# Altium PCB GEM_AFE_128.PcbDoc (part 14 of 18)
Units mm, origin at the board's own origin, x right, y up, seen from the top; angles counter-clockwise.
Board outline 112 x 81.5 mm, 8 copper layers (Top Layer, L1, L2, L3, L4, L5, L6, Bottom Layer), stack 1.52 mm thick; 1880 components, 1258 nets, 6287 pads, 2369 vias.
Unrouted connection lines stored in the file: 4.
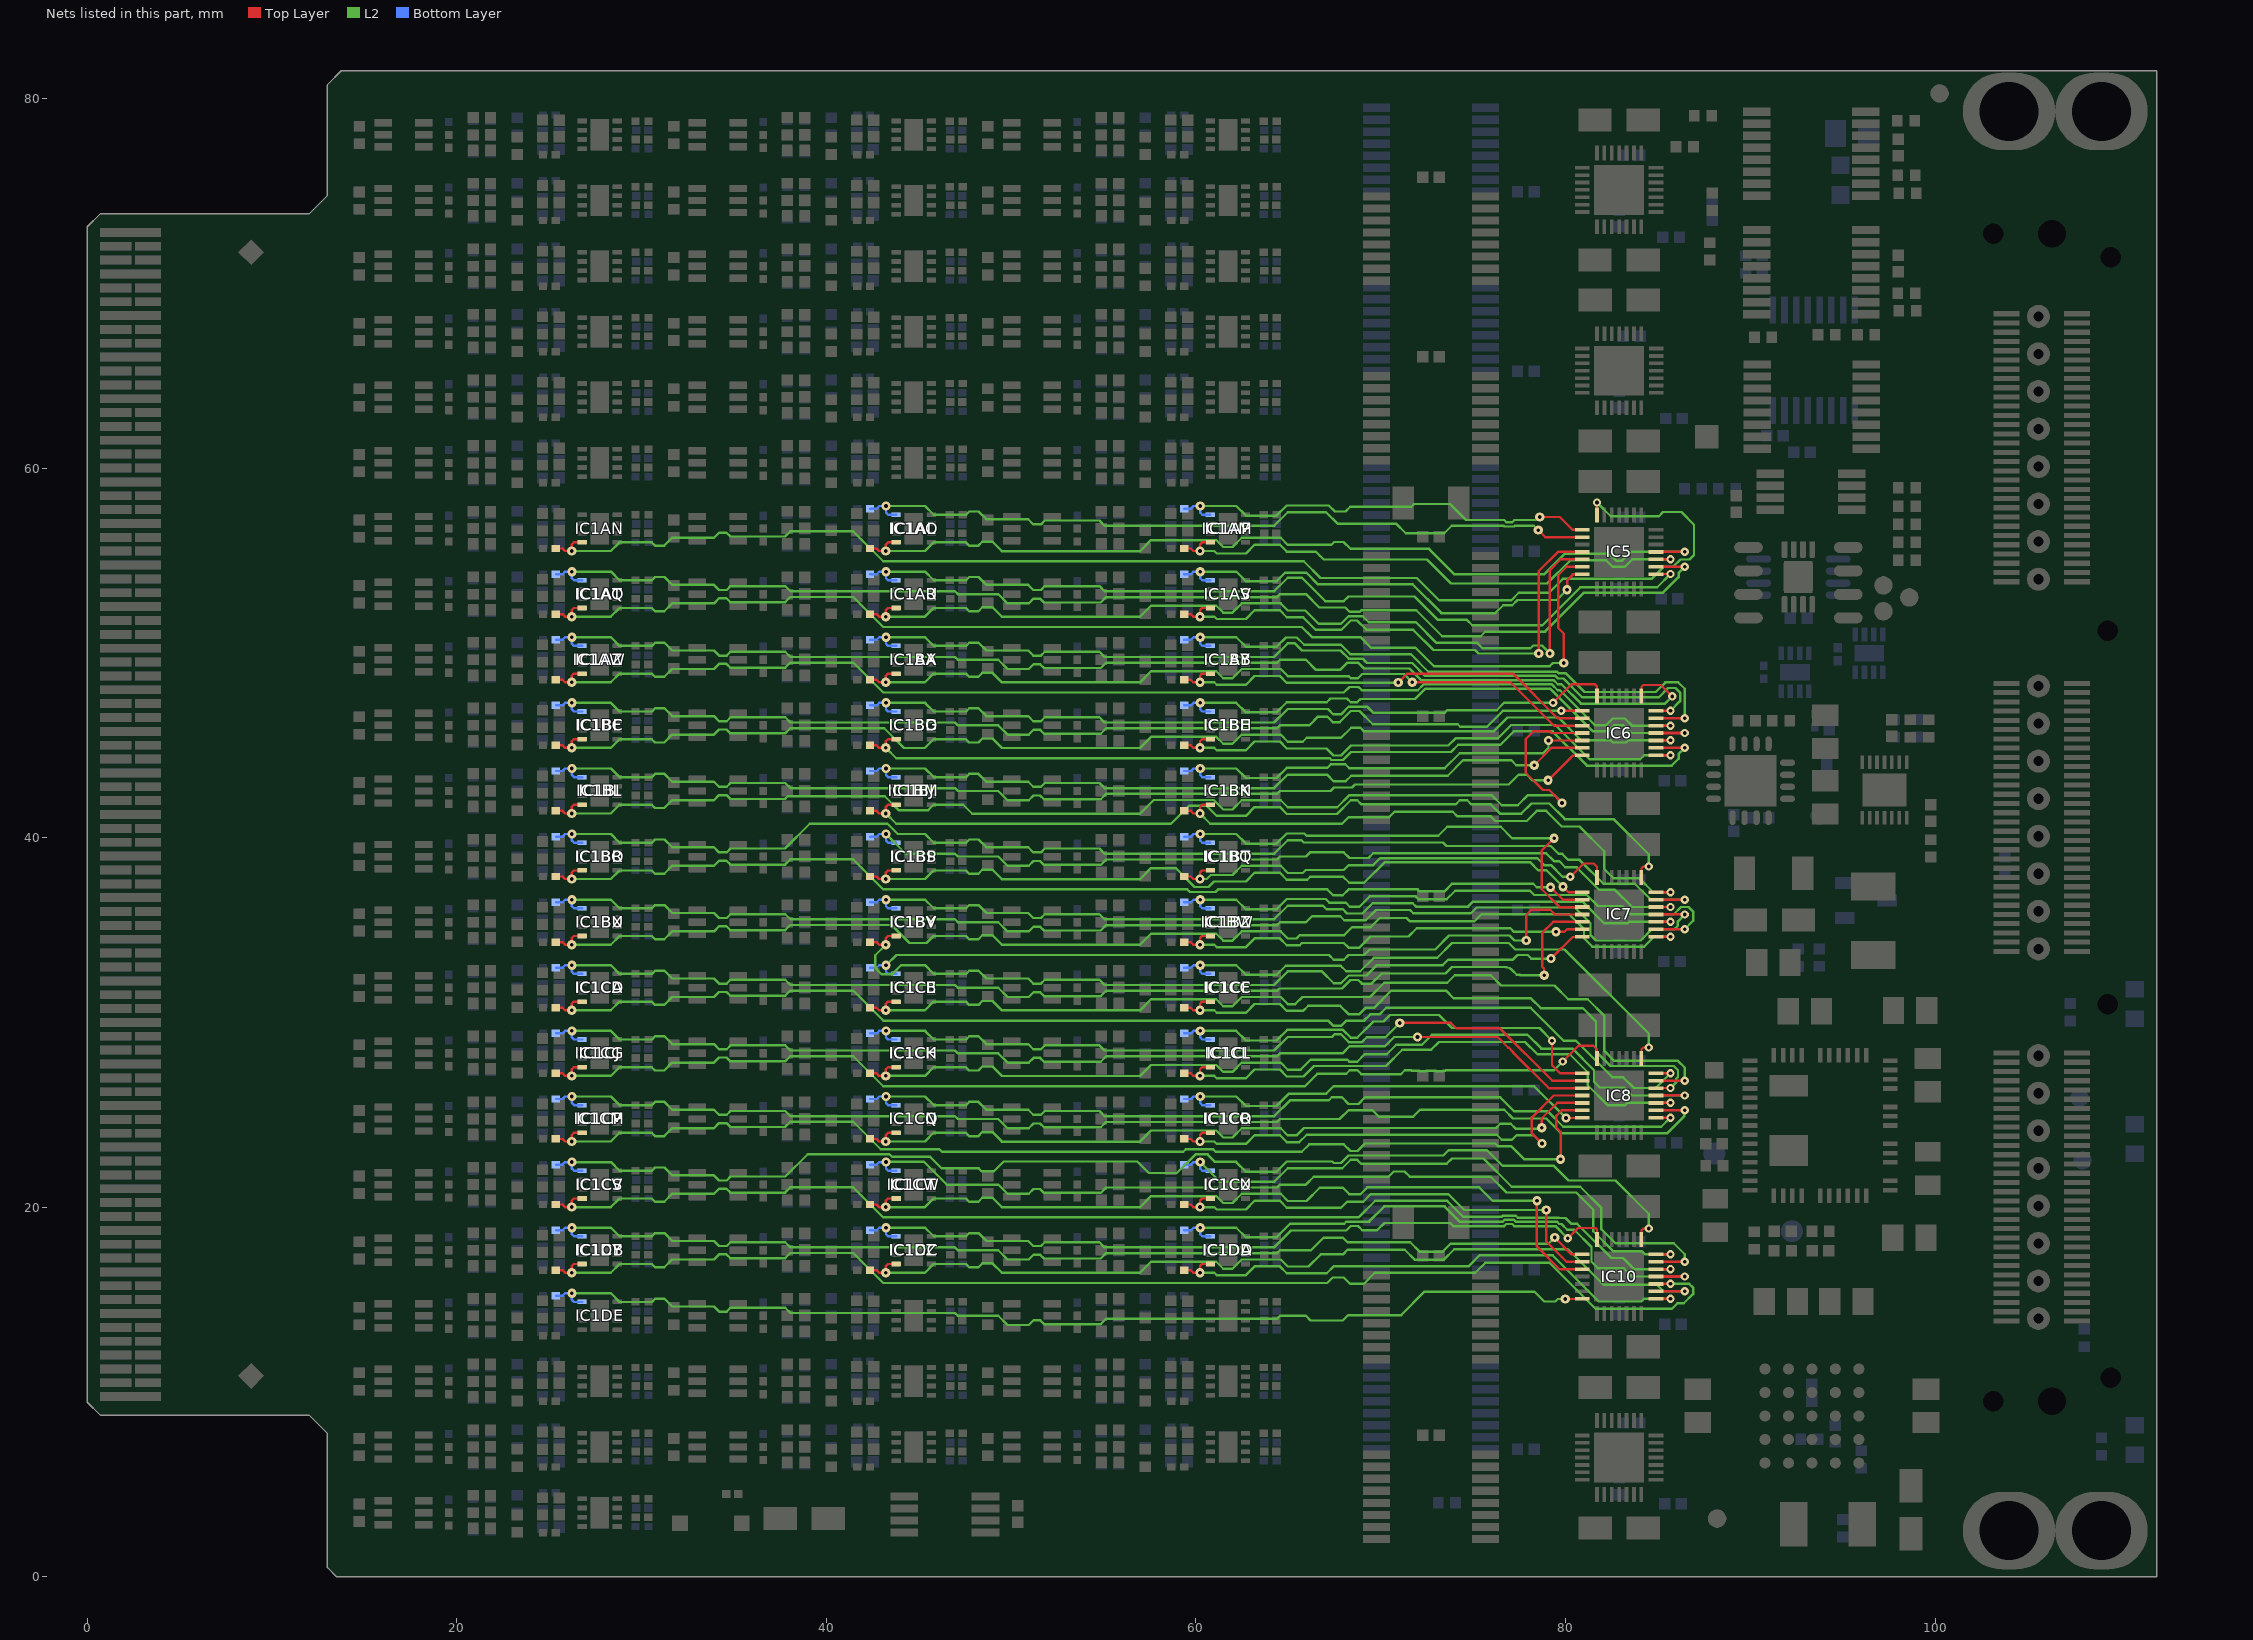
[diagram p20: the nets of this part, all layers, seen from the top]

## Via types
v1: diameter 0.5, hole 0.2, Top Layer to Bottom Layer, tented both sides, 1849 vias
v2: diameter 0.45, hole 0.2, Top Layer to Bottom Layer, tented both sides, 506 vias
v3: diameter 0.45, hole 0.2, Top Layer to Bottom Layer, 14 vias

## Nets (pads, with @x,y where several pads share a name; then routed paths per layer and width w, separated by ;. In a path a pad name is that pad's centre, name@x,y a point inside that pad or via, vN(x,y) a via of type N, cw(c..) or ccw(c..) an arc to the next point about the centre after c; other vN are vias at no path point) (continued)
OFFSET37: C4AL.2 IC1AL.4 IC5.9 | length 41.5
  Top Layer w0.127: v1(78.518,56.639) 78.897,56.261 IC5.9@80.9,56.261
  L2 w0.127: v1(43.23,57.942) 45.343,57.942 45.811,57.475 47.561,57.475 47.736,57.65 48.236,57.65 48.661,57.225 50.923,57.225 51.198,56.95 51.611,56.95 51.819,57.159 54.777,57.159 55.058,56.878 64.231,56.878 64.963,57.611 67.039,57.611 67.658,56.992 70.828,56.992 71.352,56.468 73.432,56.468 73.845,56.881 76.658,56.881 76.701,56.838 77.213,56.838 77.256,56.881 78.276,56.881 v1(78.518,56.639)
  Bottom Layer w0.127: C4AL.2@42.375,57.805 42.727,57.805 42.864,57.942 v1@43.205,57.942 ; v1(43.23,57.942) 43.23,57.588 43.343,57.475 IC1AL.4@43.786,57.475
OFFSET38: C4AM.2 IC1AM.4 IC5.8 | length 24.1
  Top Layer w0.127: v1(78.603,57.35) 79.686,57.35 80.376,56.661 IC5.8@80.9,56.661
  L2 w0.127: v1(60.23,57.942) 62.183,57.942 62.7,57.425 64.365,57.425 64.915,57.975 67.19,57.975 67.52,57.645 68.095,57.645 68.35,57.9 71.651,57.9 71.801,58.05 73.75,58.05 74.616,57.184 76.678,57.184 76.796,57.067 77.119,57.067 77.236,57.184 78.437,57.184 v1(78.603,57.35)
  Bottom Layer w0.127: C4AM.2@59.375,57.805 59.727,57.805 59.864,57.942 v1@60.205,57.942 ; v1(60.23,57.942) 60.23,57.588 60.343,57.475 IC1AM.4@60.786,57.475
OFFSET39: C4AN.2 IC1AN.4 IC5.7 | length 74.1
  Top Layer w0.127: C4AN.2@25.364,55.645 25.716,55.645 25.854,55.508 v1@26.195,55.508 ; v1(26.22,55.508) 26.22,55.862 26.333,55.975 IC1AN.4@26.775,55.975 ; IC5.7@81.7,57.458 v2(81.7,58.134)
  L2 w0.127: v1(26.22,55.508) 28.333,55.508 28.8,55.975 30.55,55.975 30.725,55.8 31.225,55.8 31.65,56.225 33.912,56.225 34.187,56.5 34.6,56.5 34.809,56.291 37.766,56.291 38.047,56.572 41.453,56.572 43.075,54.95 65.833,54.95 66.733,54.05 71.95,54.05 73.15,52.85 77.069,52.85 77.465,53.246 79.096,53.246 79.85,54 84.656,54 85.306,54.65 85.609,54.65 85.614,54.654 85.818,54.654 86.218,55.054 86.713,55.054 86.95,55.291 86.95,56.932 86.265,57.617 85.272,57.617 85.048,57.393 82.44,57.393 v2(81.7,58.134)
OFFSET40: C4AO.2 IC1AO.4 IC5.25 | length 49.5
  Top Layer w0.127: C4AO.2@42.364,55.645 42.716,55.645 42.854,55.508 v1@43.195,55.508 ; v1(43.22,55.508) 43.22,55.862 43.333,55.975 IC1AO.4@43.775,55.975
  Top Layer w0.14: IC5.25@85,55.464 v2(86.447,55.464)
  L2 w0.127: v1(43.22,55.508) 45.333,55.508 45.8,55.975 47.55,55.975 47.725,55.8 48.225,55.8 48.438,56.012 48.987,56.012 49.5,55.5 56.975,55.5 57.575,56.1 61.1,56.1 61.475,55.725 61.975,55.725 62.475,56.225 64.583,56.225 64.968,55.84 67.318,55.84 67.478,56 67.988,56 68.359,55.629 71.8,55.629
  L2 w0.14: 71.8,55.629 72.621,55.629 74,54.25 78.841,54.25 79.958,55.367 82.353,55.367 82.735,54.984 83.061,54.984 83.541,55.464 v2(86.447,55.464)
OFFSET41: C4AP.2 IC1AP.4 IC5.24 | length 29.9
  Top Layer w0.127: C4AP.2@59.364,55.645 59.716,55.645 59.854,55.508 v1@60.195,55.508 ; v1(60.22,55.508) 60.22,55.862 60.333,55.975 IC1AP.4@60.775,55.975 ; IC5.24@85,55.064 v2(85.676,55.064)
  L2 w0.127: v1(60.22,55.508) 60.989,55.508 61.12,55.377 62.702,55.377 63.174,55.849 64.54,55.849 64.914,55.475 66.482,55.475 66.704,55.254 66.911,55.047 72.503,55.047 73.8,53.75 79,53.75 80.25,55 82.2,55 82.55,54.65 83.2,54.65 83.614,55.064 v2(85.676,55.064)
OFFSET42: C4AQ.2 IC1AQ.4 IC5.23 | length 67.6
  Top Layer w0.14: IC5.23@85,54.664 v2(86.447,54.664)
  L2 w0.127: v1(26.23,54.392) 28.343,54.392 28.811,53.925 30.561,53.925 30.736,54.1 31.236,54.1 31.661,53.675 33.923,53.675 34.198,53.4 34.611,53.4 34.819,53.609 37.777,53.609 38.058,53.328 46.962,53.328 47.115,53.175 49.3,53.175 49.8,52.675 50.954,52.675 51.212,52.932 51.568,52.932 51.775,52.725 54.85,52.725 55.14,53.015 64.39,53.015 64.55,53.175 65.95,53.175 66.675,52.45 68.083,52.45 68.311,52.221 68.871,52.221 68.95,52.3 71.925,52.3 73.325,50.9 75.411,50.9 75.653,51.142
  L2 w0.14: 75.653,51.142 78.892,51.142 81.004,53.254 85.266,53.254 86.115,54.103 86.115,54.331 v2(86.447,54.664)
  Bottom Layer w0.127: C4AQ.2@25.375,54.255 25.727,54.255 25.864,54.392 v1@26.205,54.392 ; v1(26.23,54.392) 26.23,54.038 26.343,53.925 IC1AQ.4@26.786,53.925
OFFSET43: C4AR.2 IC1AR.4 IC5.22 | length 48.4
  Top Layer w0.127: IC5.22@85,54.264 v2(85.676,54.264)
  L2 w0.127: v1(43.23,54.392) 45.343,54.392 45.811,53.925 47.561,53.925 47.736,54.1 48.236,54.1 48.661,53.675 50.923,53.675 51.198,53.4 51.611,53.4 51.819,53.609 54.777,53.609 55.058,53.328 64.231,53.328 64.963,54.061 65.732,54.061 66.992,52.8 68,52.8 68.251,53.051 68.72,53.051 68.722,53.05 71.831,53.05 73.098,51.783 74.667,51.783 74.954,51.496 78.746,51.496 80.8,53.55 84.962,53.55 v2(85.676,54.264)
  Bottom Layer w0.127: C4AR.2@42.375,54.255 42.727,54.255 42.864,54.392 v1@43.205,54.392 ; v1(43.23,54.392) 43.23,54.038 43.343,53.925 IC1AR.4@43.786,53.925
OFFSET44: C4AS.2 IC1AS.4 IC5.14 | length 25
  Top Layer w0.127: v1(80.081,53.418) 80.097,53.434 80.097,53.943 80.398,54.244 80.883,54.244 IC5.14@80.9,54.261
  L2 w0.127: v1(60.23,54.392) 62.183,54.392 62.7,53.875 64.365,53.875 64.829,54.339 65.972,54.339 66.61,53.701 71.73,53.701 73.281,52.15 76.2,52.15 76.627,52.577 77.119,52.577 77.398,52.855 79.518,52.855 v1(80.081,53.418)
  Bottom Layer w0.127: C4AS.2@59.375,54.255 59.727,54.255 59.864,54.392 v1@60.205,54.392 ; v1(60.23,54.392) 60.23,54.038 60.343,53.925 IC1AS.4@60.786,53.925
OFFSET45: C4AT.2 IC1AT.4 IC5.13 | length 64.3
  Top Layer w0.127: C4AT.2@25.364,52.095 25.716,52.095 25.854,51.958 v1@26.195,51.958 ; v1(26.22,51.958) 26.22,52.312 26.333,52.425 IC1AT.4@26.775,52.425 ; v1(79.9,49.45) 79.9,51.04 79.6,51.34 79.6,54.193 80.068,54.661 IC5.13@80.9,54.661
  L2 w0.127: v1(26.22,51.958) 28.333,51.958 28.8,52.425 30.55,52.425 30.725,52.25 31.225,52.25 31.65,52.675 33.912,52.675 34.187,52.95 34.6,52.95 34.809,52.741 37.766,52.741 38.047,53.022 41.453,53.022 43.075,51.4 65.725,51.4 66.275,50.85 68.9,50.85 69.479,50.271 71.879,50.271 72.879,49.271 79.137,49.271 79.317,49.45 v1(79.9,49.45)
OFFSET46: C4AU.2 IC1AU.4 IC5.12 | length 47
  Top Layer w0.127: C4AU.2@42.364,52.095 42.716,52.095 42.854,51.958 v1@43.195,51.958 ; v1(43.22,51.958) 43.22,52.312 43.333,52.425 IC1AU.4@43.775,52.425 ; v1(79.152,49.965) 79.152,54.478 79.735,55.061 IC5.12@80.9,55.061
  L2 w0.127: v1(43.22,51.958) 45.333,51.958 45.8,52.425 47.55,52.425 47.725,52.25 48.225,52.25 48.438,52.462 48.987,52.462 49.5,51.95 56.975,51.95 57.575,52.55 61.1,52.55 61.475,52.175 61.975,52.175 62.475,52.675 64.583,52.675 64.968,52.29 65.91,52.29 66.629,51.571 67.845,51.571 68.254,51.98 69.02,51.98 69.35,51.65 71.9,51.65 73.011,50.539 75.224,50.539 75.513,50.25 78.1,50.25 78.25,50.4 78.717,50.4 v1(79.152,49.965)
OFFSET47: C4AV.2 IC1AV.4 IC5.11 | length 29
  Top Layer w0.127: C4AV.2@59.364,52.095 59.716,52.095 59.854,51.958 v1@60.195,51.958 ; v1(60.22,51.958) 60.22,52.312 60.333,52.425 IC1AV.4@60.775,52.425 ; v1(78.55,49.965) 78.55,54.424 79.587,55.461 IC5.11@80.9,55.461
  L2 w0.127: v1(60.22,51.958) 60.989,51.958 61.12,51.827 62.702,51.827 63.174,52.299 64.54,52.299 64.914,51.925 65.8,51.925 66.475,51.25 67.875,51.25 68.377,51.751 68.72,51.751 69.222,51.25 71.75,51.25 72.85,50.15 75.1,50.15 75.285,49.965 v1(78.55,49.965)
OFFSET48: C4AW.2 IC1AW.4 IC6.1 | length 66.7
  Top Layer w0.127: IC6.1@84.1,47.658 84.109,47.667 84.109,48.165 84.202,48.258 85.151,48.258 v2(85.768,47.642)
  L2 w0.127: v1(26.23,50.842) 28.343,50.842 28.811,50.375 30.561,50.375 30.736,50.55 31.236,50.55 31.661,50.125 33.923,50.125 34.198,49.85 34.611,49.85 34.819,50.059 37.777,50.059 38.058,49.778 46.962,49.778 47.115,49.625 49.3,49.625 49.8,49.125 50.954,49.125 51.212,49.382 51.568,49.382 51.775,49.175 54.85,49.175 55.14,49.465 64.39,49.465 64.55,49.625 65.95,49.625 66.496,49.079 67.799,49.079 68.175,49.454 68.796,49.454 69.1,49.15 71.55,49.15 72.202,48.498 72.226,48.522 79.354,48.522 79.581,48.295 79.782,48.295 80.827,47.25 85.376,47.25 v2(85.768,47.642)
  Bottom Layer w0.127: C4AW.2@25.375,50.705 25.727,50.705 25.864,50.842 v1@26.205,50.842 ; v1(26.23,50.842) 26.23,50.488 26.343,50.375 IC1AW.4@26.786,50.375
OFFSET49: C4AX.2 IC1AX.4 IC6.28 | length 49.3
  Top Layer w0.127: IC6.28@85,46.861 v2(85.676,46.861)
  L2 w0.127: v1(43.23,50.842) 45.343,50.842 45.811,50.375 47.561,50.375 47.736,50.55 48.236,50.55 48.661,50.125 50.923,50.125 51.198,49.85 51.611,49.85 51.819,50.059 54.777,50.059 55.058,49.778 64.231,49.778 64.963,50.511 65.353,50.511 65.738,50.126 67.827,50.126 68.268,49.685 69.015,49.685 69.25,49.45 71.7,49.45 72.399,48.751 79.449,48.751 79.588,48.612 79.88,48.612 80.892,47.599 85.049,47.599 85.55,48.1 85.95,48.1 86.2,47.85 86.2,47.385 v2(85.676,46.861)
  Bottom Layer w0.127: C4AX.2@42.375,50.705 42.727,50.705 42.864,50.842 v1@43.205,50.842 ; v1(43.23,50.842) 43.23,50.488 43.343,50.375 IC1AX.4@43.786,50.375
OFFSET50: C4AY.2 IC1AY.4 IC6.27 | length 33.1
  Top Layer w0.14: IC6.27@85,46.461 v2(86.447,46.461)
  L2 w0.127: v1(60.23,50.842) 62.183,50.842 62.7,50.325 64.365,50.325 64.871,50.831 65.458,50.831 65.855,50.434 67.842,50.434 68.356,49.92 71.632,49.92 72.573,48.979 79.543,48.979 79.636,48.887 80.016,48.887 81.026,47.877 84.877,47.877 85.4,48.4 86.1,48.4 86.447,48.053 v2(86.447,46.461)
  Bottom Layer w0.127: C4AY.2@59.375,50.705 59.727,50.705 59.864,50.842 v1@60.205,50.842 ; v1(60.23,50.842) 60.23,50.488 60.343,50.375 IC1AY.4@60.786,50.375
OFFSET51: C4AZ.2 IC1AZ.4 IC6.26 | length 65
  Top Layer w0.127: C4AZ.2@25.364,48.545 25.716,48.545 25.854,48.408 v1@26.195,48.408 ; v1(26.22,48.408) 26.22,48.762 26.333,48.875 IC1AZ.4@26.775,48.875 ; IC6.26@85,46.061 v2(85.676,46.061)
  L2 w0.127: v1(26.22,48.408) 28.333,48.408 28.8,48.875 30.55,48.875 30.725,48.7 31.225,48.7 31.65,49.125 33.912,49.125 34.187,49.4 34.6,49.4 34.809,49.191 37.766,49.191 38.047,49.472 41.453,49.472 43.075,47.85 68,47.85 68.301,48.151 68.799,48.151 68.978,47.972 71.999,47.972 72.32,48.294 79.259,48.294 79.581,47.972 79.695,47.972 81.586,46.081 82.181,46.081 82.55,46.45 83.2,46.45 83.589,46.061 v2(85.676,46.061)
OFFSET52: C4BA.2 IC1BA.4 IC6.10 | length 42.2
  Top Layer w0.127: C4BA.2@42.364,48.545 42.716,48.545 42.854,48.408 v1@43.195,48.408 ; v1(43.22,48.408) 43.22,48.762 43.333,48.875 IC1BA.4@43.775,48.875 ; v1(71.698,48.404) 77.026,48.404 79.372,46.058 IC6.10@80.9,46.058
  L2 w0.127: v1(43.22,48.408) 45.333,48.408 45.8,48.875 47.55,48.875 47.725,48.7 48.225,48.7 48.438,48.912 48.987,48.912 49.5,48.4 56.975,48.4 57.575,49 61.1,49 61.475,48.625 61.975,48.625 62.475,49.125 64.583,49.125 64.968,48.74 68.259,48.74 68.298,48.7 68.378,48.621 68.771,48.621 69,48.85 71.251,48.85 v1(71.698,48.404)
OFFSET53: C4BB.2 IC1BB.4 IC6.9 | length 24.1
  Top Layer w0.127: C4BB.2@59.364,48.545 59.716,48.545 59.854,48.408 v1@60.195,48.408 ; v1(60.22,48.408) 60.22,48.762 60.333,48.875 IC1BB.4@60.775,48.875 ; v1(70.952,48.398) 71.43,48.876 77.15,48.876 79.568,46.458 IC6.9@80.9,46.458
  L2 w0.127: v1(60.22,48.408) 60.989,48.408 61.12,48.277 62.702,48.277 63.174,48.749 64.54,48.749 64.905,48.384 70.938,48.384 v1(70.952,48.398)
OFFSET54: C4BC.2 IC1BC.4 IC6.8 | length 59.2
  Top Layer w0.127: v2(79.763,46.859) 79.769,46.864 80.894,46.864 IC6.8@80.9,46.858
  L2 w0.127: v1(26.23,47.292) 28.343,47.292 28.811,46.825 30.561,46.825 30.736,47 31.236,47 31.661,46.575 33.923,46.575 34.198,46.3 34.611,46.3 34.819,46.509 37.777,46.509 38.058,46.228 46.962,46.228 47.115,46.075 49.3,46.075 49.8,45.575 50.954,45.575 51.212,45.832 51.568,45.832 51.775,45.625 54.85,45.625 55.14,45.915 64.39,45.915 64.55,46.075 66.125,46.075 66.6,46.55 67.1,46.55 67.4,46.25 67.777,46.25 68.378,46.851 68.849,46.851 69.568,46.132 74.167,46.132 74.3,45.999 75.743,45.999 76.604,46.859 v2(79.763,46.859)
  Bottom Layer w0.127: C4BC.2@25.375,47.155 25.727,47.155 25.864,47.292 v1@26.205,47.292 ; v1(26.23,47.292) 26.23,46.938 26.343,46.825 IC1BC.4@26.786,46.825
OFFSET55: C4BD.2 IC1BD.4 IC6.7 | length 43
  Top Layer w0.127: v2(79.325,47.294) 80.337,48.306 81.561,48.306 81.697,48.17 81.697,47.661 IC6.7@81.7,47.658
  L2 w0.127: v1(43.23,47.292) 45.343,47.292 45.811,46.825 47.561,46.825 47.736,47 48.236,47 48.661,46.575 50.923,46.575 51.198,46.3 51.611,46.3 51.819,46.509 54.777,46.509 55.058,46.228 64.231,46.228 64.963,46.961 67.139,46.961 67.429,46.671 67.847,46.671 68.264,47.088 69.262,47.088 69.6,46.75 73.45,46.75 73.592,46.892 76.273,46.892 76.675,47.294 v2(79.325,47.294)
  Bottom Layer w0.127: C4BD.2@42.375,47.155 42.727,47.155 42.864,47.292 v1@43.205,47.292 ; v1(43.23,47.292) 43.23,46.938 43.343,46.825 IC1BD.4@43.786,46.825
OFFSET56: C4BE.2 IC1BE.4 IC6.25 | length 31.7
  Top Layer w0.14: IC6.25@85,45.661 v2(86.447,45.661)
  L2 w0.127: v1(60.23,47.292) 62.183,47.292 62.7,46.775 64.365,46.775 64.915,47.325 67.075,47.325 67.281,47.531 68.168,47.531 68.378,47.321 68.722,47.321 68.901,47.5 71.85,47.5 72.415,48.065 79.165,48.065 81.48,45.75 82.3,45.75 82.623,46.073 83.127,46.073 83.539,45.661 v2(86.447,45.661)
  Bottom Layer w0.127: C4BE.2@59.375,47.155 59.727,47.155 59.864,47.292 v1@60.205,47.292 ; v1(60.23,47.292) 60.23,46.938 60.343,46.825 IC1BE.4@60.786,46.825
OFFSET57: C4BF.2 IC1BF.4 IC6.24 | length 65.8
  Top Layer w0.127: C4BF.2@25.364,44.995 25.716,44.995 25.854,44.858 v1@26.195,44.858 ; v1(26.22,44.858) 26.22,45.212 26.333,45.325 IC1BF.4@26.775,45.325 ; IC6.24@85,45.261 v2(85.676,45.261)
  L2 w0.127: v1(26.22,44.858) 28.333,44.858 28.8,45.325 30.55,45.325 30.725,45.15 31.225,45.15 31.65,45.575 33.912,45.575 34.187,45.85 34.6,45.85 34.809,45.641 37.766,45.641 38.047,45.922 43.128,45.922 44.2,44.85 45.325,44.85 45.8,45.325 47.55,45.325 47.725,45.15 48.225,45.15 48.438,45.362 48.987,45.362 49.5,44.85 56.975,44.85 57.575,45.45 61.1,45.45 61.475,45.075 61.975,45.075 62.475,45.575 64.583,45.575 64.968,45.19 65.783,45.19 65.994,45.4 67.852,45.4 68.402,45.95 68.9,45.95 69.1,45.75 76.1,45.75 76.85,46.5 79.611,46.5 80.849,45.261 82.448,45.261 82.56,45.149 83.277,45.149 83.389,45.261 v2(85.676,45.261)
OFFSET58: C4BG.2 IC1BG.4 IC6.23 | length 48.8
  Top Layer w0.127: C4BG.2@42.364,44.995 42.716,44.995 42.854,44.858 v1@43.195,44.858 ; v1(43.22,44.858) 43.22,45.212 43.333,45.325 IC1BG.4@43.775,45.325
  Top Layer w0.14: IC6.23@85,44.861 v2(86.447,44.861)
  L2 w0.127: v1(43.22,44.858) 43.777,44.3 67.237,44.3 67.335,44.203 67.952,44.203 68.385,44.635 73.8,44.635 74.188,45.024 76.474,45.024 77.2,45.75 79.3,45.75 81.155,43.895 85.745,43.895 86.115,44.265 86.115,44.53 v2(86.447,44.861)
OFFSET59: C4BH.2 IC1BH.4 IC6.22 | length 30.1
  Top Layer w0.127: C4BH.2@59.364,44.995 59.716,44.995 59.854,44.858 v1@60.195,44.858 ; v1(60.22,44.858) 60.22,45.212 60.333,45.325 IC1BH.4@60.775,45.325 ; IC6.22@85,44.461 v2(85.676,44.461)
  L2 w0.127: v1(60.22,44.858) 60.989,44.858 61.12,44.727 62.702,44.727 63.174,45.199 64.54,45.199 64.914,44.825 67.058,44.825 67.439,44.444 67.852,44.444 68.39,44.982 73.656,44.982 74.045,45.371 76.33,45.371 77.056,46.097 79.444,46.097 81.299,44.242 84.042,44.242 84.261,44.461 v2(85.676,44.461)
OFFSET60: C4BI.2 IC1BI.4 IC6.14 | length 59
  Top Layer w0.127: v1(79.055,43.098) 80.4,44.443 80.885,44.443 IC6.14@80.9,44.458
  L2 w0.127: v1(26.23,43.742) 28.343,43.742 28.811,43.275 30.561,43.275 30.736,43.45 31.236,43.45 31.661,43.025 33.923,43.025 34.198,42.75 34.611,42.75 34.819,42.959 37.777,42.959 38.058,42.678 46.962,42.678 47.115,42.525 49.3,42.525 49.8,42.025 50.954,42.025 51.212,42.282 51.568,42.282 51.775,42.075 54.85,42.075 55.14,42.365 64.39,42.365 64.55,42.525 67.274,42.525 67.465,42.716 68.439,42.716 68.6,42.877 76.927,42.877 77.45,43.4 77.9,43.4 78.202,43.098 v1(79.055,43.098)
  Bottom Layer w0.127: C4BI.2@25.375,43.605 25.727,43.605 25.864,43.742 v1@26.205,43.742 ; v1(26.23,43.742) 26.23,43.388 26.343,43.275 IC1BI.4@26.786,43.275
OFFSET61: C4BJ.2 IC1BJ.4 IC6.13 | length 41.7
  Top Layer w0.127: v1(78.301,43.921) 79.237,44.858 IC6.13@80.9,44.858
  L2 w0.127: v1(43.23,43.742) 45.343,43.742 45.811,43.275 47.561,43.275 47.736,43.45 48.236,43.45 48.661,43.025 50.923,43.025 51.198,42.75 51.611,42.75 51.819,42.959 54.777,42.959 55.058,42.678 64.231,42.678 64.963,43.411 67.089,43.411 67.45,43.05 68.1,43.05 68.4,43.35 73.62,43.35 74.452,44.182 77.068,44.182 77.329,43.921 v1(78.301,43.921)
  Bottom Layer w0.127: C4BJ.2@42.375,43.605 42.727,43.605 42.864,43.742 v1@43.205,43.742 ; v1(43.23,43.742) 43.23,43.388 43.343,43.275 IC1BJ.4@43.786,43.275
OFFSET62: C4BK.2 IC1BK.4 IC6.12 | length 24
  Top Layer w0.127: v1(79.075,45.258) IC6.12@80.9,45.258
  L2 w0.127: v1(60.23,43.742) 62.183,43.742 62.7,43.225 64.365,43.225 64.915,43.775 67.1,43.775 67.299,43.974 68.076,43.974 68.3,43.75 73.454,43.75 74.274,44.57 78.785,44.57 79.075,44.86 v1(79.075,45.258)
  Bottom Layer w0.127: C4BK.2@59.375,43.605 59.727,43.605 59.864,43.742 v1@60.205,43.742 ; v1(60.23,43.742) 60.23,43.388 60.343,43.275 IC1BK.4@60.786,43.275
OFFSET63: C4BL.2 IC1BL.4 IC6.11 | length 66.3
  Top Layer w0.127: C4BL.2@25.364,41.445 25.716,41.445 25.854,41.308 v1@26.195,41.308 ; v1(26.22,41.308) 26.22,41.662 26.333,41.775 IC1BL.4@26.775,41.775 ; v1(79.809,41.878) 79.113,42.573 78.777,42.573 77.842,43.508 77.842,45.337 78.254,45.749 79.156,45.749 79.247,45.658 IC6.11@80.9,45.658
  L2 w0.127: v1(26.22,41.308) 28.333,41.308 28.8,41.775 30.55,41.775 30.725,41.6 31.225,41.6 31.65,42.025 33.912,42.025 34.187,42.3 34.6,42.3 34.809,42.091 37.766,42.091 37.914,42.239 43.158,42.239 43.908,41.489 45.514,41.489 45.8,41.775 47.412,41.775 47.892,41.295 56.97,41.295 57.711,42.036 60.964,42.036 61.475,41.525 61.975,41.525 62.475,42.025 64.583,42.025 64.968,41.64 67.645,41.64 68.306,42.3 76,42.3 76.55,41.75 77.414,41.75 77.964,42.3 79.387,42.3 v1(79.809,41.878)
OFFSET64: C4BM.2 IC1BM.4 IC7.1 | length 48.1
  Top Layer w0.127: C4BM.2@42.364,41.445 42.716,41.445 42.854,41.308 v1@43.195,41.308 ; v1(43.22,41.308) 43.22,41.662 43.333,41.775 IC1BM.4@43.775,41.775 ; IC7.1@84.1,37.841 84.109,37.85 84.109,38.348 84.202,38.441 v2(84.498,38.441)
  L2 w0.127: v1(43.22,41.308) 43.777,40.75 58.65,40.75 59.628,41.728 60.568,41.728 61.12,41.177 62.702,41.177 63.174,41.649 64.54,41.649 64.914,41.275 67.627,41.275 68.377,42.024 68.726,42.024 68.95,41.8 74.052,41.8 74.277,42.024 74.676,42.024 74.9,41.8 75.95,41.8 76.45,41.3 77.6,41.3 78.15,41.85 79.114,41.85 79.964,41 82.6,41 84.498,39.102 v2(84.498,38.441)
OFFSET65: C4BN.2 IC1BN.4 IC7.28 | length 31.3
  Top Layer w0.127: C4BN.2@59.364,41.445 59.716,41.445 59.854,41.308 v1@60.195,41.308 ; v1(60.22,41.308) 60.22,41.662 60.333,41.775 IC1BN.4@60.775,41.775 ; IC7.28@85,37.044 v2(85.676,37.044)
  L2 w0.127: v1(60.22,41.308) 60.777,40.75 67.9,40.75 68.25,41.1 70.45,41.1 70.75,41.4 73.9,41.4 74.15,41.15 75.95,41.15 76.2,40.9 77.9,40.9 78.45,41.45 78.948,41.45 79.798,40.6 80.75,40.6 82.09,39.26 82.09,38.301 82.581,37.811 83.976,37.811 84.742,37.044 v2(85.676,37.044)
OFFSET66: C4BO.2 IC1BO.4 IC7.27 | length 67.3
  Top Layer w0.14: IC7.27@85,36.644 v2(86.447,36.644)
  L2 w0.127: v1(26.23,40.192) 28.343,40.192 28.811,39.725 30.561,39.725 30.736,39.9 31.236,39.9 31.661,39.475 33.923,39.475 34.198,39.2 34.611,39.2 34.819,39.409 37.759,39.409 39.1,40.75 43.303,40.75 43.861,40.192 45.343,40.192 45.811,39.725 47.561,39.725 47.736,39.9 48.236,39.9 48.661,39.475 50.923,39.475 51.198,39.2 51.611,39.2 51.819,39.409 54.777,39.409 55.058,39.128 64.231,39.128 64.963,39.861 65.711,39.861 65.836,39.736 73.364,39.736 73.551,39.549 79.201,39.549 79.628,39.122 79.82,39.122 80.148,38.793 80.762,38.793 82.054,37.502 83.748,37.502 84.606,36.644 v2(86.447,36.644)
  Bottom Layer w0.127: C4BO.2@25.375,40.055 25.727,40.055 25.864,40.192 v1@26.205,40.192 ; v1(26.23,40.192) 26.23,39.838 26.343,39.725 IC1BO.4@26.786,39.725